# Altium PCB CADDX_passthrough.PcbDoc (continued)
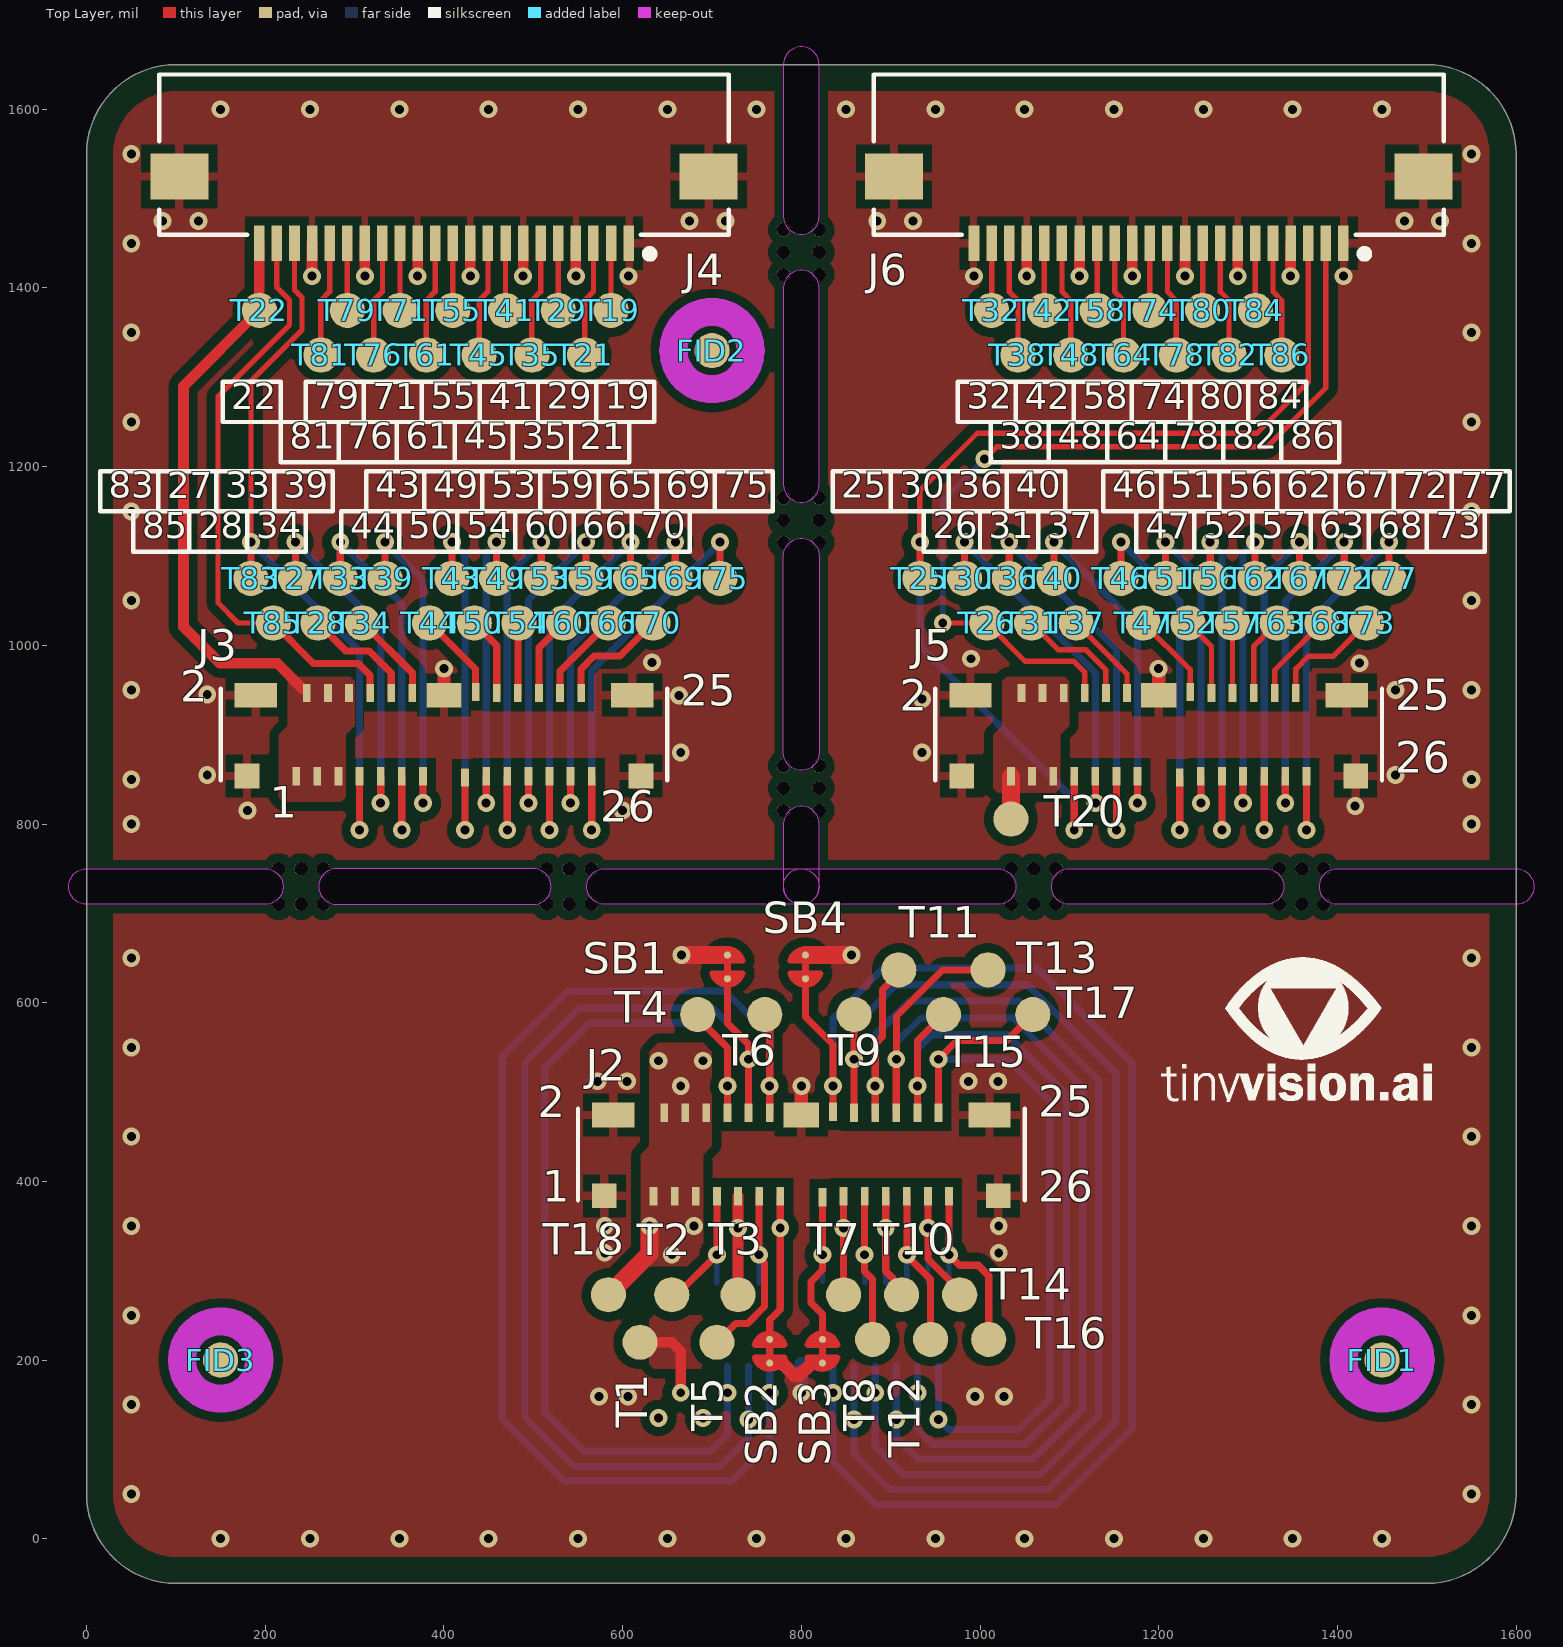
[diagram p0: Top Layer view]
## Free pads (board coordinates) (continued)

## Via types
v1: diameter 20, hole 10, Top Layer to Bottom Layer, 199 vias

## Nets (pads, with @x,y where several pads share a name; then routed paths per layer and width w, separated by ;. In a path a pad name is that pad's centre, name@x,y a point inside that pad or via, vN(x,y) a via of type N, cw(c..) or ccw(c..) an arc to the next point about the centre after c; other vN are vias at no path point)
GND: J1.P1 J1.P2 J1.P3 J1.P4 J1.P5 J2.P1 J2.P2 J2.P3 J2.P4 J2.P5 J3.P1 J3.P2 J3.P3 J3.P4 J3.P5 J4.1 J4.4 J4.7 J4.10 J4.13 J4.16 J4.19 J4.SH1 J4.SH2 J5.P1 J5.P2 J5.P3 J5.P4 J5.P5 J6.1 J6.4 J6.7 J6.10 J6.13 J6.16 J6.19 J6.22 J6.SH1 J6.SH2 SB1.1 SB2.2 SB3.2 SB4.1 | length 735.7
  Top Layer w12: v1(252.36,1413.19) J4.19 ; v1(311.42,1413.19) J4.16 ; v1(370.47,1413.19) J4.13 ; v1(429.53,1413.19) J4.10 ; v1(488.58,1413.19) J4.7 ; v1(547.64,1413.19) J4.4 ; v1(1052.36,1413.19) J6.19 ; v1(1111.42,1413.19) J6.16 ; v1(1170.47,1413.19) J6.13 ; v1(1229.53,1413.19) J6.10 ; v1(1288.58,1413.19) J6.7 ; v1(1347.64,1413.19) J6.4
  Top Layer w15: J3.P2 v1(400,973.84) ; SB2.2 778.46,196.54 790,185 ; 792.69,182.31 797.31,182.31 811.54,196.54 SB3.2 ; J2.P2 v1(800,506.65) ; J5.P2 v1(1200,973.84)
  Top Layer w20: v1(665.78,653.3) SB1.1 ; SB4.1 v1(856.12,653.3)
  Bottom Layer w15: v1(800,163.35) J1.P2
  other v1: 150,0 250,0 350,0 450,0 550,0 650,0 750,0 850,0 950,0 1050,0 1150,0 1250,0 1350,0 1450,0 50,50 1550,50 50,150 1550,150 573.33,159 606,159 994.33,159 1027,159 50,250 1550,250 580,320 1021,320 50,350 580,350 1021,350 1550,350 50,450 1550,450 572,512 604.67,512 987.33,512 1020,512 50,550 1550,550 50,650 1550,650 50,800 1550,800 180,815 600,815 1420,820 50,850 1550,850 135,855 1465,855 665,880 935,880 935,940 663,944 135,945 50,950 1465,950 1550,950 1425,980 633,981 990,985 50,1050 1550,1050 50,1150 1550,1150 50,1250 1550,1250 50,1350 1550,1350 606.69,1413.19 993.31,1413.19 1406.69,1413.19 50,1450 1550,1450 85,1475 125,1475 675,1475 715,1475 885,1475 925,1475 1475,1475 1515,1475 50,1550 1550,1550 150,1600 250,1600 350,1600 450,1600 550,1600 650,1600 750,1600 850,1600 950,1600 1050,1600 1150,1600 1250,1600 1350,1600 1450,1600
MCLK: J1.12 J2.12 T6.1 | length 1357.1
  Top Layer w8: T6.1 764.57,581.14 v1(764.57,506.65) J2.12
  Bottom Layer w8: J1.12 v1(764.57,163.35) 764.57,106.95 722.1,64.48 534.63,64.48 465.16,133.95 465.16,539.53 538.74,613.11 714.53,613.11 764.57,563.06 v1(764.57,506.65)
MIPI_RX_SCL: J5.7 J6.3 T25.1 | length 1192.2
  Top Layer w6: v1(932.68,1115.47) 932.68,1173.13 996.93,1237.38 1310.11,1237.38 1367.32,1294.6 J6.3
  Top Layer w8: T25.1 v1(932.68,1115.47) ; v1(1105.51,793.35) J5.7
  Bottom Layer w8: v1(932.68,1115.47) 932.68,999.34 1105.51,826.5 v1(1105.51,793.35)
MIPI_RX_SDA: J5.8 J6.2 T26.1 | length 984.7
  Top Layer w6: v1(958.29,1025) T26.1 1050.68,982 1105,982 1117.32,969.68 J5.8 ; v1(1005.01,1208.4) 1018.76,1222.14 1321.11,1222.14 1387.01,1288.04 J6.2
  Bottom Layer w6: v1(958.29,1025) 958.29,1161.67 v1(1005.01,1208.4)
MIPI_RXCLK_N: J6.15 T58.1 | length 75
  Top Layer w6: T58.1 J6.15
MIPI_RXCLK_P: J6.14 T64.1 | length 129.1
  Top Layer w6: J6.14 1150.79,1395.88 1160.63,1386.04 T64.1
MIPI_RXD0_N: J6.21 T32.1 | length 75
  Top Layer w6: T32.1 J6.21
MIPI_RXD0_P: J6.20 T38.1 | length 129.1
  Top Layer w6: J6.20 1032.68,1395.88 1042.52,1386.04 T38.1
MIPI_RXD1_N: J6.18 T42.1 | length 75
  Top Layer w6: T42.1 J6.18
MIPI_RXD1_P: J6.17 T48.1 | length 129.1
  Top Layer w6: J6.17 1091.73,1395.88 1101.57,1386.04 T48.1
MIPI_TX_LED: J4.18 T81.1 | length 129.1
  Top Layer w6: T81.1 262.2,1386.04 272.05,1395.88 J4.18
MIPI_TX_SCL: J3.7 J4.20 T83.1 | length 834.6
  Top Layer w6: v1(183.92,1115.47) 183.92,1295.92 241,1353.01 241,1389.56 232.68,1397.88 J4.20
  Top Layer w8: T83.1 v1(183.92,1115.47) ; v1(305.51,793.35) J3.7
  Bottom Layer w8: v1(183.92,1115.47) 305.51,993.87 v1(305.51,793.35)
MIPI_TX_SDA: J3.8 J4.21 T85.1 | length 665.2
  Top Layer w6: T85.1 169.62,1025 146.99,1047.63 146.99,1278.68 227,1358.69 227,1386.59 212.99,1400.6 J4.21
  Top Layer w8: T85.1 254.09,979.83 304.09,979.83 317.32,966.59 J3.8
MIPI_TX_TRIG: J4.17 T79.1 | length 75
  Top Layer w6: T79.1 J4.17
MIPI_TXCLK_N: J4.8 T41.1 | length 75
  Top Layer w6: T41.1 J4.8
MIPI_TXCLK_P: J4.9 T45.1 | length 129.1
  Top Layer w6: T45.1 439.37,1386.04 449.21,1395.88 J4.9
MIPI_TXD0_N: J4.2 T19.1 | length 75
  Top Layer w6: T19.1 J4.2
MIPI_TXD0_P: J4.3 T21.1 | length 129.1
  Top Layer w6: T21.1 557.48,1386.04 567.32,1395.88 J4.3
MIPI_TXD1_N: J4.5 T29.1 | length 75
  Top Layer w6: T29.1 J4.5
MIPI_TXD1_P: J4.6 T35.1 | length 129.1
  Top Layer w6: T35.1 498.43,1386.04 508.27,1395.88 J4.6
NetJ3_9: J3.9 T27.1 | length 402
  Top Layer w8: T27.1 v1(233.92,1115.47) ; v1(329.13,823.35) J3.9
  Bottom Layer w8: v1(233.92,1115.47) 329.13,1020.25 v1(329.13,823.35)
NetJ3_10: J3.10 T28.1 | length 127.5
  Top Layer w8: T28.1 290.09,993.83 316.01,993.83 340.94,968.89 J3.10
NetJ3_11: J3.11 T33.1 | length 451.1
  Top Layer w8: T33.1 v1(283.92,1115.47) ; v1(352.76,793.35) J3.11
  Bottom Layer w8: v1(283.92,1115.47) 352.76,1046.63 v1(352.76,793.35)
NetJ3_12: J3.12 T34.1 | length 101.4
  Top Layer w8: T34.1 364.57,969.35 J3.12
NetJ3_13: J3.13 T39.1 | length 380.2
  Top Layer w8: T39.1 v1(333.92,1115.47) ; v1(376.38,823.35) J3.13
  Bottom Layer w8: v1(333.92,1115.47) 376.38,1073.01 v1(376.38,823.35)
NetJ3_14: J3.14 T43.1 | length 427.5
  Top Layer w8: T43.1 v1(408.92,1115.47) ; v1(423.62,793.35) J3.14
  Bottom Layer w8: v1(408.92,1115.47) 423.62,1100.76 v1(423.62,793.35)
NetJ3_15: J3.15 T44.1 | length 98.5
  Top Layer w8: T44.1 435.43,973.48 J3.15
NetJ3_16: J3.16 T49.1 | length 367.4
  Top Layer w8: v1(447.24,823.35) J3.16 ; T49.1 v1(458.92,1115.47)
  Bottom Layer w8: v1(447.24,823.35) 447.24,1103.8 v1(458.92,1115.47)
NetJ3_17: J3.17 T50.1 | length 88.8
  Top Layer w8: T50.1 459.06,999.86 J3.17
NetJ3_18: J3.18 T53.1 | length 438.4
  Top Layer w8: v1(470.87,793.35) J3.18 ; T53.1 v1(508.92,1115.47)
  Bottom Layer w8: v1(470.87,793.35) 470.87,1077.42 v1(508.92,1115.47)
NetJ3_19: J3.19 T54.1 | length 78.9
  Top Layer w8: J3.19 483.01,946.98 483.01,1024.09 T54.1
NetJ3_20: J3.20 T59.1 | length 389.3
  Top Layer w8: v1(494.49,823.35) J3.20 ; T59.1 v1(558.92,1115.47)
  Bottom Layer w8: v1(494.49,823.35) 494.49,1051.04 v1(558.92,1115.47)
NetJ3_21: J3.21 T60.1 | length 89.8
  Top Layer w8: J3.21 506.3,997.38 T60.1
NetJ3_22: J3.22 T65.1 | length 460.2
  Top Layer w8: v1(518.11,793.35) J3.22 ; T65.1 v1(608.92,1115.47)
  Bottom Layer w8: v1(518.11,793.35) 518.11,1024.66 v1(608.92,1115.47)
NetJ3_23: J3.23 T66.1 | length 100.7
  Top Layer w8: J3.23 529.92,971 T66.1
NetJ3_24: J3.24 T69.1 | length 411.1
  Top Layer w8: v1(541.73,823.35) J3.24 ; T69.1 v1(658.92,1115.47)
  Bottom Layer w8: v1(541.73,823.35) 541.73,998.28 v1(658.92,1115.47)
NetJ3_25: J3.25 T70.1 | length 128.6
  Top Layer w8: J3.25 553.54,973.54 567.96,987.96 596.88,987.96 T70.1
NetJ3_26: J3.26 T75.1 | length 482.1
  Top Layer w8: v1(565.35,793.35) J3.26 ; T75.1 v1(708.92,1115.47)
  Bottom Layer w8: v1(565.35,793.35) 565.35,971.91 v1(708.92,1115.47)
NetJ4_11: J4.11 T55.1 | length 75
  Top Layer w6: T55.1 J4.11
NetJ4_12: J4.12 T61.1 | length 129.1
  Top Layer w6: T61.1 380.31,1386.04 390.16,1395.88 J4.12
NetJ4_14: J4.14 T71.1 | length 75
  Top Layer w6: T71.1 J4.14
NetJ4_15: J4.15 T76.1 | length 129.1
  Top Layer w6: T76.1 321.26,1386.04 331.1,1395.88 J4.15
NetJ5_9: J5.9 T30.1 | length 423.3
  Top Layer w8: T30.1 v1(982.68,1115.47) ; v1(1129.13,823.35) J5.9
  Bottom Layer w8: v1(982.68,1115.47) 1129.13,969.01 v1(1129.13,823.35)
NetJ5_10: J5.10 T31.1 | length 130.9
  Top Layer w6: T31.1 1087.68,995 1118.47,995 1140.94,972.52 J5.10
NetJ5_11: J5.11 T36.1 | length 472.3
  Top Layer w8: T36.1 v1(1032.68,1115.47) ; v1(1152.76,793.35) J5.11
  Bottom Layer w8: v1(1032.68,1115.47) 1152.76,995.39 v1(1152.76,793.35)
NetJ5_12: J5.12 T37.1 | length 101.9
  Top Layer w6: T37.1 1164.57,968.11 J5.12
NetJ5_13: J5.13 T40.1 | length 401.4
  Top Layer w8: T40.1 v1(1082.68,1115.47) ; v1(1176.38,823.35) J5.13
  Bottom Layer w8: v1(1082.68,1115.47) 1176.38,1021.77 v1(1176.38,823.35)
NetJ5_14: J5.14 T46.1 | length 448.7
  Top Layer w8: T46.1 v1(1157.68,1115.47) ; v1(1223.62,793.35) J5.14
  Bottom Layer w8: v1(1157.68,1115.47) 1223.62,1049.52 v1(1223.62,793.35)
NetJ5_15: J5.15 T47.1 | length 99
  Top Layer w6: T47.1 1235.43,972.24 J5.15
NetJ5_16: J5.16 T51.1 | length 379
  Top Layer w8: T51.1 v1(1207.68,1115.47) ; v1(1247.24,823.35) J5.16
  Bottom Layer w8: v1(1207.68,1115.47) 1247.24,1075.9 v1(1247.24,823.35)
NetJ5_17: J5.17 T52.1 | length 89.3
  Top Layer w6: T52.1 1259.06,998.62 J5.17
NetJ5_18: J5.18 T56.1 | length 428.1
  Top Layer w8: T56.1 v1(1257.68,1115.47) ; v1(1270.87,793.35) J5.18
  Bottom Layer w8: v1(1257.68,1115.47) 1270.87,1102.28 v1(1270.87,793.35)
NetJ5_19: J5.19 T57.1 | length 78.3
  Top Layer w6: J5.19 T57.1
NetJ5_20: J5.20 T62.1 | length 368.1
  Top Layer w8: v1(1294.49,823.35) J5.20 ; T62.1 v1(1307.68,1115.47)
  Bottom Layer w8: v1(1294.49,823.35) 1294.49,1102.28 v1(1307.68,1115.47)
NetJ5_21: J5.21 T63.1 | length 89.3
  Top Layer w6: J5.21 1306.3,998.62 T63.1
NetJ5_22: J5.22 T67.1 | length 439
  Top Layer w8: v1(1318.11,793.35) J5.22 ; T67.1 v1(1357.68,1115.47)
  Bottom Layer w8: v1(1318.11,793.35) 1318.11,1075.9 v1(1357.68,1115.47)
NetJ5_23: J5.23 T68.1 | length 100.2
  Top Layer w6: J5.23 1329.92,972.24 T68.1
NetJ5_24: J5.24 T72.1 | length 389.9
  Top Layer w8: v1(1341.73,823.35) J5.24 ; T72.1 v1(1407.68,1115.47)
  Bottom Layer w8: v1(1341.73,823.35) 1341.73,1049.52 v1(1407.68,1115.47)
NetJ5_25: J5.25 T73.1 | length 127.4
  Top Layer w6: J5.25 1353.54,973.67 1367.79,987.92 1395.6,987.92 T73.1
NetJ5_26: J5.26 T77.1 | length 460.8
  Top Layer w8: v1(1365.35,793.35) J5.26 ; T77.1 v1(1457.68,1115.47)
  Bottom Layer w8: v1(1365.35,793.35) 1365.35,1023.15 v1(1457.68,1115.47)
NetJ6_5: J6.5 T86.1 | length 129.1
  Top Layer w6: J6.5 1327.95,1395.88 1337.8,1386.04 T86.1
NetJ6_6: J6.6 T84.1 | length 75
  Top Layer w6: T84.1 J6.6
NetJ6_8: J6.8 T82.1 | length 129.1
  Top Layer w6: J6.8 1268.9,1395.88 1278.74,1386.04 T82.1
NetJ6_9: J6.9 T80.1 | length 75
  Top Layer w6: T80.1 J6.9
NetJ6_11: J6.11 T78.1 | length 129.1
  Top Layer w6: J6.11 1209.84,1395.88 1219.69,1386.04 T78.1
NetJ6_12: J6.12 T74.1 | length 75
  Top Layer w6: T74.1 J6.12
P1V8D: J1.9 J2.9 T3.1 | length 171.5
  Top Layer w12: T3.1 v1(729.13,347.84) J2.9
  Bottom Layer w12: J1.9 v1(729.13,347.84)
P3V3D: J1.1 J1.2 J1.3 J1.4 J1.5 J1.6 J2.1 J2.2 J2.3 J2.4 J2.5 J2.6 T1.1 T18.1 | length 192.1
  Top Layer w12: T1.1 655,219.84 665,209.84 v1(665,163.35)
  Top Layer w20: T18.1 630,319 v1(630,350)
  other v1: 640,135 690,135 655,317.84 680,350 665,506.65 640,535 690,535
P3V3D_1: J3.1 J3.2 J3.3 J3.4 J3.5 J3.6 J4.22 T22.1 | length 629.9
  Top Layer w12: J4.22 T22.1 108.3,1290 108.3,1020.79 149.27,979.83 213.28,979.83 242.22,950.89 J3.2@244.79,950.89
P3V3D_2: J5.1 J5.2 J5.3 J5.4 J5.5 J5.6 T20.1 | length 47.8
  Top Layer w20: T20.1 J5.1
PIN_10: J1.10 J2.10 SB1.2 | length 1232.9
  Top Layer w8: SB1.2 717.32,577.01 740.94,553.39 J2.10
  Bottom Layer w8: J1.10 740.94,113.36 708.56,80.97 545.46,80.97 490.04,136.38 490.04,532.31 551.62,593.89 700.44,593.89 740.94,553.39 v1(740.95,536.65)
  other v1: 740.94,133.35
PIN_11: J1.11 J2.11 T5.1 | length 227.1
  Top Layer w8: T5.1 726.67,241 740,241 758.82,259.82 758.82,308.52 752.76,314.59 v1(752.76,317.84) J2.11
  Bottom Layer w6: J1.11 v1(752.76,317.84)
PIN_13: J1.13 J2.13 SB2.1 | length 226.3
  Top Layer w8: SB2.1 764.57,244.8 776.38,256.61 v1(776.38,347.84) J2.13
  Bottom Layer w6: J1.13 v1(776.38,347.84)
PIN_14: J1.14 J2.14 SB3.1 | length 202.7
  Top Layer w8: SB3.1 823.62,251.21 811,263.84 811,288 823.62,300.62 v1(823.62,317.84) ; v1@823.62,314.59 J2.14
  Bottom Layer w6: J1.14 v1(823.62,317.84)
PIN_15: J1.15 J2.15 SB4.2 | length 1545.2
  Top Layer w8: SB4.2 804.57,584.08 835.43,553.22 v1(835.43,506.65) J2.15
  Bottom Layer w8: J1.15 v1(835.43,163.35) 835.43,85.57 883,38 1085,38 1170.42,123.42 1170.42,531.58 1063,639 892,639 835.43,582.43 v1(835.43,506.65)
PIN_16: J1.16 J2.16 T7.1 | length 171.5
  Top Layer w8: T7.1 v1(847.24,347.84) J2.16
  Bottom Layer w6: J1.16 v1(847.24,347.84)
PIN_17: J1.17 J2.17 T9.1 | length 1329.2
  Top Layer w8: J2.17 v1(859.06,536.65) T9.1
  Bottom Layer w8: J1.17 v1(859.06,133.35) 859.06,94.94 899,55 1076,55 1152,131 1152,521 1053,620 906,620 859.06,573.06 v1(859.06,536.65)
PIN_18: J1.18 J2.18 T8.1 | length 195.1
  Top Layer w8: J2.18 v1(870.87,317.84) 870.87,299.3 879.74,290.42 T8.1
  Bottom Layer w6: J1.18 v1(870.87,317.84)
PIN_19: J1.19 J2.19 T11.1 | length 1286.9
  Top Layer w8: J2.19 v1(882.68,506.65) 882.68,553.69 891,562.01 891,614.62 909.06,632.67 T11.1
  Bottom Layer w8: J1.19 v1(882.68,163.35) 882.68,103.32 914,72 1067,72 1133,138 1133,513 1044,602 920.6,602 882.68,564.08 v1(882.68,506.65)
PIN_20: J1.20 J2.20 T10.1 | length 178.8
  Top Layer w8: J2.20 v1(894.49,347.84) 894.49,299.3 912.24,281.54 T10.1
  Bottom Layer w6: J1.20 v1(894.49,347.84)
PIN_21: J1.21 J2.21 T13.1 | length 1185.4
  Top Layer w8: J2.21 v1(906.3,536.65) 906.67,537.02 906.67,585.2 958.12,636.65 T13.1
  Bottom Layer w8: J1.21 v1(906.3,133.35) 906.3,113.7 931,89 1059.15,89 1115,144.85 1115,505 1037,583 934,583 906.67,555.67 906.67,537.02 v1(906.3,536.65)
PIN_22: J1.22 J2.22 T12.1 | length 202.4
  Top Layer w8: J2.22 v1(918.11,317.84) 918.11,317 944.74,290.36 T12.1
  Bottom Layer w6: J1.22 v1(918.11,317.84)
PIN_23: J1.23 J2.23 T15.1 | length 974.1
  Top Layer w8: J2.23 v1(929.92,506.65) 929.92,557.52 T15.1
  Bottom Layer w8: J1.23 v1(929.92,163.35) 929.92,122.24 946.49,105.67 1050.67,105.67 1097,152 1097,497 1029.92,564.08 946.08,564.08 929.92,547.92 v1(929.92,506.65)
PIN_24: J1.24 J2.24 T14.1 | length 186.2
  Top Layer w8: J2.24 v1(941.73,347.84) 941.73,313.17 977.24,277.66 T14.1
  Bottom Layer w6: J1.24 v1(941.73,347.84)
PIN_25: J1.25 J2.25 T17.1 | length 866.8
  Top Layer w8: J2.25 v1(953.54,536.65) 974.41,557.52 1029.92,557.52 T17.1
  Bottom Layer w8: J1.25 v1(953.54,133.35) 964.77,122.12 1043.46,122.12 1078,156.65 1078,490 1031.35,536.65 v1(953.54,536.65)
PIN_26: J1.26 J2.26 T16.1 | length 222
  Top Layer w8: J2.26 v1(965.35,317.84) 977.19,306 998,306 1009.74,294.26 T16.1
  Bottom Layer w6: J1.26 v1(965.35,317.84)
SCL: J1.7 J2.7 T2.1 | length 165.6
  Top Layer w8: T2.1@655.12,273.18 660.85,273.18 v1(705.51,317.84) J2.7
  Bottom Layer w6: J1.7 v1(705.51,317.84)
SDA: J1.8 J2.8 T4.1 | length 1095.8
  Top Layer w8: T4.1 684.06,582.72 717.32,549.45 v1(717.32,506.65) J2.8
  Bottom Layer w8: J1.8 v1(717.32,163.35) 717.32,116.87 698.25,97.8 556.84,97.8 512.85,141.79 512.85,527 563.33,577.47 689.3,577.47 717.32,549.45 v1(717.32,506.65)
pads on no net: FID1.1 FID2.1 FID3.1 FID4.1 FID5.1 FID6.1

## Polygon pours and split planes (outlines as drawn)
GND on Bottom Layer "GND_L02" (solid, pour order 10): 29.99,50 ccw(c100,50) 100,-20.01 1499.97,-20.01 1500.07,-20.01 ccw(c1500,50) 1570.01,50 1570.01,1550 ccw(c1500,1550) 1500,1620.02 100,1620.02 ccw(c100,1550) 29.99,1550
P3V3D on Bottom Layer "PWR_L02" (solid, pour order 0): 635,120 630,125 630,245 620,255 620,360 625,365 685,365 690,360 690,255 700,245 700,125 695,120
GND on Top Layer "GND_L01" (solid, pour order 9): 29.99,50 ccw(c100,50) 100,-20.01 1499.97,-20.01 1500.07,-20.01 ccw(c1500,50) 1570.01,50 1570.01,1550 ccw(c1500,1550) 1500,1620.02 100,1620.02 ccw(c100,1550) 29.99,1550
P3V3D_2 on Top Layer "PWR_L01" (solid, pour order 5): 1085,835 1090,840 1090,900 1100,910 1100,960 1095,965 1030,965 1025,960 1025,910 1015,900 1015,840 1020,835
P3V3D on Top Layer "PWR_L01" (solid, pour order 6): 695,190 700,195 700,245 695,250 635,250 630,245 630,195 635,190
P3V3D_1 on Top Layer "PWR_L01" (solid, pour order 4): 295,965 300,960 300,910 290,900 290,830 285,825 220,825 215,830 215,900 225,910 225,960 230,965
P3V3D on Top Layer "PWR_L01" (solid, pour order 1): 630,545 640,555 690,555 700,545 700,440 690,430 690,310 685,305 625,305 620,310 620,430 630,440

## Other copper
Top Layer:
  text "TOP LAYER" at 561.9,-244.9 h100
Bottom Layer:
  text "BOTTOM LAYER" at 499.9,-244.9 h100

## Silkscreen, mask and mechanical layers (free items; w line width, h text height)
Top Overlay:
  drawing of 4337 lines, arcs and shapes, not listed
  text "79" at 255,1255.55 h50
  text "55" at 385,1255.55 h50
  text "29" at 515.18,1255.55 h50
  text "19" at 580.23,1255.55 h50
  text "32" at 985,1255.55 h50
  text "58" at 1115,1255.55 h50
  text "80" at 1245.23,1255.55 h50
  text "84" at 1310.23,1255.55 h50
  text "22" at 162.13,1255 h50
  text "71" at 320,1255 h50
  text "41" at 450,1255 h50
  text "42" at 1050,1255 h50
  text "74" at 1180,1255 h50
  text "81" at 227.18,1210.55 h50
  text "76" at 292.18,1210.55 h50
  text "61" at 357.18,1210.55 h50
  text "45" at 422.18,1210.55 h50
  text "35" at 487.18,1210.55 h50
  text "38" at 1022.18,1210.55 h50
  text "48" at 1087.18,1210.55 h50
  text "64" at 1152.18,1210.55 h50
  text "78" at 1217.18,1210.55 h50
  text "82" at 1282.18,1210.55 h50
  text "86" at 1347.18,1210.55 h50
  text "21" at 552.13,1210 h50
  text "83" at 25,1155.55 h50
  text "33" at 155,1155.55 h50
  text "39" at 220,1155.55 h50
  text "43" at 322.82,1155.55 h50
  text "49" at 387.82,1155.55 h50
  text "53" at 452.82,1155.55 h50
  text "59" at 517.82,1155.55 h50
  text "65" at 583.05,1155.55 h50
  text "69" at 648.05,1155.55 h50
  text "75" at 713.05,1155.55 h50
  text "25" at 844.95,1155.55 h50
  text "30" at 910,1155.55 h50
  text "36" at 975,1155.55 h50
  text "40" at 1040,1155.55 h50
  text "46" at 1147.82,1155.55 h50
  text "51" at 1212.82,1155.55 h50
  text "56" at 1277.82,1155.55 h50
  text "62" at 1342.82,1155.55 h50
  text "67" at 1408.05,1155.55 h50
  text "27" at 89.95,1155 h50
  text "72" at 1473.05,1155 h50
  text "77" at 1538.05,1155 h50
  text "85" at 62.18,1110.55 h50
  text "28" at 124.95,1110.55 h50
  text "34" at 190,1110.55 h50
  text "50" at 360,1110.55 h50
  text "54" at 425,1110.55 h50
  text "60" at 490,1110.55 h50
  text "66" at 555,1110.55 h50
  text "70" at 620,1110.55 h50
  text "26" at 947.13,1110.55 h50
  text "31" at 1010,1110.55 h50
  text "37" at 1075,1110.55 h50
  text "52" at 1250,1110.55 h50
  text "57" at 1315,1110.55 h50
  text "63" at 1380,1110.55 h50
  text "68" at 1445,1110.55 h50
  text "73" at 1510,1110.55 h50
  text "44" at 295,1110 h50
  text "47" at 1185,1110 h50
  text "SILKSCREEN TOP" at 505.9,-339.9 h100
Bottom Overlay:
  text "SILKSCREEN BOTTOM" at 1339.9,-337.9 h100
Top Paste:
  text "PASTEMASK TOP" at 452.9,-524.9 h100
Bottom Paste:
  text "PASTEMASK BOTTOM" at 359.9,-524.9 h100
Top Solder:
  text "SOLDERMASK TOP" at 449.9,-425.9 h100
Bottom Solder:
  text "SOLDERMASK BOTTOM" at 331.9,-429.9 h100
Drill Guide:
  text "DRILL GUIDE" at 590,-620 h100
Outline:
  the board outline again, w5
  text "BOARD OUTLINE" at 510,-720 h100
Top Assembly:
  text "ASSEMBLY TOP" at 490.9,-143.9 h100
Bottom Assembly:
  text "ASSEMBLY BOTTOM" at 1295.9,-141.7 h100
Drill Drawing:
  circle w10: c2402.45,627.6 r46.04
  lines w1: 5376.81,1104.51 5506.09,1233.78 5706.09,1433.78 5906.09,1633.78 6106.09,1833.78 6306.09,2033.78 ; 5376.81,1204.51 5406.09,1233.78 5606.09,1433.78 5806.09,1633.78 6006.09,1833.78 6206.09,2033.78 6306.09,2133.78 ; 5376.81,1304.51 5506.09,1433.78 5706.09,1633.78 5906.09,1833.78 6106.09,2033.78 6306.09,2233.78 ; 5376.81,1404.51 5406.09,1433.78 5606.09,1633.78 5806.09,1833.78 6006.09,2033.78 6206.09,2233.78 6306.09,2333.78 ; 5376.81,1504.51 5506.09,1633.78 5706.09,1833.78 5906.09,2033.78 6106.09,2233.78 6306.09,2433.78 ; 5376.81,1604.51 5406.09,1633.78 5606.09,1833.78 5806.09,2033.78 6006.09,2233.78 6206.09,2433.78 ; 5376.81,1704.51 5506.09,1833.78 5706.09,2033.78 5906.09,2233.78 6106.09,2433.78 ; 5376.81,1804.51 5406.09,1833.78 5606.09,2033.78 5806.09,2233.78 6006.09,2433.78 ; 5376.81,1904.51 5506.09,2033.78 5706.09,2233.78 5906.09,2433.78 ; 5376.81,2004.51 5406.09,2033.78 5606.09,2233.78 5806.09,2433.78 ; 5376.81,2104.51 5506.09,2233.78 5706.09,2433.78 ; 5376.81,2204.51 5406.09,2233.78 5606.09,2433.78 ; 5376.81,2304.51 5506.09,2433.78 ; 5376.81,2404.51 5406.09,2433.78 ; 5406.09,1033.78 5606.09,1233.78 5806.09,1433.78 6006.09,1633.78 6206.09,1833.78 6306.09,1933.78 ; 5506.09,1033.78 5706.09,1233.78 5906.09,1433.78 6106.09,1633.78 6306.09,1833.78 ; 5606.09,1033.78 5806.09,1233.78 6006.09,1433.78 6206.09,1633.78 6306.09,1733.78 ; 5706.09,1033.78 5906.09,1233.78 6106.09,1433.78 6306.09,1633.78 ; 5806.09,1033.78 6006.09,1233.78 6206.09,1433.78 6306.09,1533.78 ; 5906.09,1033.78 6106.09,1233.78 6306.09,1433.78 ; 6006.09,1033.78 6206.09,1233.78 6306.09,1333.78 ; 6106.09,1033.78 6306.09,1233.78 ; 6206.09,1033.78 6306.09,1133.78
  lines w15: 2271.51,1233.78 2690,1233.78 3499.3,1233.78 4226.55,1233.78 4823.93,1233.78 5376.81,1233.78 6306.09,1233.78 ; 2271.51,1433.78 2690,1433.78 3499.3,1433.78 4226.55,1433.78 4823.93,1433.78 5376.81,1433.78 6306.09,1433.78 ; 2271.51,1633.78 2690,1633.78 3499.3,1633.78 4226.55,1633.78 4823.93,1633.78 5376.81,1633.78 6306.09,1633.78 ; 2271.51,1833.78 2690,1833.78 3499.3,1833.78 4226.55,1833.78 4823.93,1833.78 5376.81,1833.78 6306.09,1833.78 ; 2271.51,2033.78 2690,2033.78 3499.3,2033.78 4226.55,2033.78 4823.93,2033.78 5376.81,2033.78 6306.09,2033.78 ; 2271.51,2233.78 2690,2233.78 3499.3,2233.78 4226.55,2233.78 4823.93,2233.78 5376.81,2233.78 6306.09,2233.78 ; 2271.51,2433.78 6306.09,2433.78 ; 2690,2633.78 2690,1033.78 ; 3499.3,2633.78 3499.3,1033.78 ; 4226.55,2633.78 4226.55,1033.78 ; 4823.93,2633.78 4823.93,1033.78 ; 5376.81,2633.78 5376.81,1033.78 ; 2690,1033.78 2271.51,1033.78 2271.51,2633.78 6306.09,2633.78 6306.09,1033.78 5376.81,1033.78 ; 2690,1033.78 3499.3,1033.78 ; 3499.3,1033.78 4226.55,1033.78 ; 4226.55,1033.78 4823.93,1033.78 ; 4823.93,1033.78 5376.81,1033.78
  lines w20: 2275,312.2 7770.41,312.2 ; 2275,726.6 7770.41,726.6 ; 2838.44,105 2838.44,933.8 ; 3342.29,105 3342.29,933.8 ; 4275.71,105 4275.71,933.8 ; 4707.89,105 4707.89,933.8 ; 5333.6,105 5333.6,933.8 ; 6540.82,105 6540.82,933.8 ; 7046.65,105 7046.65,933.8 ; 2275,105 7770.41,105 7770.41,933.8 2275,933.8 2275,105
  text "FABRICATION NOTE" at 2327.04,4574.14 h100
  text "NOTES: (UNLESS OTHERWISE SPECIFIED)" at 2327.92,4471.69 h100
  text "1. FABRICATE PER IPC-6012B TYPE 2 CLASS 3" at 2313.94,4273.01 h50
  text "2. MATERIAL:" at 2313.94,4153.01 h50
  text "BASE MATERIAL  : FR4 Tg 180" at 2815.75,4152.75 h50
  text "3. BOARD THICKNESS: 1.6MM +/- 10% TOL." at 2313.94,4033.01 h50
  text "4. NO OF LAYERS: 02" at 2317.68,3938.82 h50
  text "5. SURFACE FINISH: ENIG FINISH" at 2317.68,3818.82 h50
  text "6. SOLDERMASK CLEARANCE IS GIVEN SAME AS PAD SIZE EXCEPT FIDUCIALS." at 2317.68,3698.82 h50
  text "VENDOR SHALL MODIFY THE MASK CLEARANCE AS PER THE REQUIRED MANUFACTURING TOLERANCE" at 2437.68,3578.82 h50
  text "COLOR:GREEN" at 2357.68,3458.82 h50
  text "7. SILKSCREEN:DOUBLE SIDE WITH PERMANENT NON CONDUCTIVE WHITE EPOXY INK" at 2317.68,3338.82 h50
  text "SILKSCREEN MAY BE TRIMMED OFF ANY SOLDERED ENTITY." at 2357.68,3218.82 h50
  text "8. BOW AND TWIST NOT TO EXCEED 0.180MM (0.007\") PER INCH AS MEASURED PER IPC-TM-650." at 2317.68,3098.82 h50
  text "9. 100%CONTINUITY TESTING USING DATABASE NETLIST SHALL BE PERFORMED." at 2317.68,2978.82 h50
  text "10. VENDOR SHOULD FOLLOW ROHS COMPLAINT PROCESS FOR MANUFACTURING." at 2317.68,2858.82 h50
  text "Layer" at 2371.51,2483.78 h100
  text "Name" at 2790,2483.78 h100
  text "Material" at 3599.3,2483.78 h100
  text "Thickness" at 4326.55,2483.78 h100
  text "Constant" at 4923.93,2483.78 h100
  text "Board Layer Stack" at 5476.81,2483.78 h100
  text "Top Overlay" at 2790,2283.78 h100
  text "Top Solder" at 2790,2083.78 h100
  text "Solder Resist" at 3599.3,2083.78 h100
  text "0.50mil" at 4326.55,2083.78 h100
  text "3.5" at 4923.93,2083.78 h100
  text "1" at 2371.51,1883.78 h100
  text "Top Layer" at 2790,1883.78 h100
  text "1.38mil" at 4326.55,1883.78 h100
  text "Dielectric 1" at 2790,1683.78 h100
  text "Core-009" at 3599.3,1683.78 h100
  text "59.06mil" at 4326.55,1683.78 h100
  text "4" at 4923.93,1683.78 h100
  text "2" at 2371.42,1483.78 h100
  text "Bottom Layer" at 2790,1483.78 h100
  text "1.38mil" at 4326.55,1483.78 h100
  text "Bottom Solder" at 2790,1283.78 h100
  text "Solder Resist" at 3599.3,1283.78 h100
  text "0.50mil" at 4326.55,1283.78 h100
  text "3.5" at 4923.93,1283.78 h100
  text "Bottom Overlay" at 2790,1083.78 h100
  text "Total board thickness:" at 2371.51,883.78 h100
  text "62.81mil" at 4326.55,883.78 h100
  text "Symbol" at 2399.32,788.76 h120
  text "Count" at 2900.6,788.76 h120
  text "Hole Size" at 3404.45,788.76 h120
  text "Plated" at 4337.87,788.76 h120
  text "Hole Type" at 4770.05,788.76 h120
  text "Drill Layer Pair" at 5395.76,788.76 h120
  text "Via/Pad" at 6602.98,788.76 h120
  text "Pad Shape" at 7108.81,788.76 h120
  text "42" at 2900.6,581.56 h100
  text "15.00mil (0.381mm)" at 3404.45,581.56 h100
  text "NPTH" at 4337.87,581.56 h100
  text "Round" at 4770.05,581.56 h100
  text "Top Layer - Bottom Layer" at 5395.76,581.56 h100
  text "Pad" at 6602.98,581.56 h100
  text "Rounded" at 7108.81,581.56 h100
  text "199" at 2900.6,374.36 h100
  text "10.00mil (0.254mm)" at 3404.45,374.36 h100
  text "PTH" at 4337.87,374.36 h100
  text "Round" at 4770.05,374.36 h100
  text "Top Layer - Bottom Layer" at 5395.76,374.36 h100
  text "Via" at 6602.98,374.36 h100
  text "Rounded" at 7108.81,374.36 h100
  text "A" at 2361.76,364.38 h92.09
  text "241 Total" at 2900.6,167.16 h100
  text "DRILL DRAWING" at 515,-620 h100

## Text inside footprints (layer, text, board x,y; h text height)
J1: Bottom Overlay "2" at 615.06,110 h60; Bottom Overlay "1" at 610,320 h60; Bottom Overlay "25" at 1020.06,110.67 h60; Bottom Overlay "26" at 1021.06,320.67 h60; Bottom Assembly "2" at 600.04,200 h40; Bottom Assembly "1" at 600,255 h40; Bottom Assembly "25" at 1025.04,200.44 h40; Bottom Assembly "26" at 1025.04,255.44 h40
J2: Top Assembly "26" at 984.96,390.44 h40; Top Assembly "2" at 574.96,445 h40; Top Assembly "25" at 984.96,445.44 h40; Top Assembly "1" at 575,390 h40; Top Overlay "1" at 510,365.67 h60; Top Overlay "2" at 504.94,460 h60; Top Overlay "25" at 1064.94,460.67 h60; Top Overlay "26" at 1064.94,365.67 h60
J3: Top Assembly "1" at 165,860 h40; Top Assembly "26" at 594.96,860.44 h40; Top Assembly "2" at 164.96,915 h40; Top Assembly "25" at 594.96,915.44 h40; Top Overlay "2" at 104.94,925 h60; Top Overlay "1" at 205,795 h60; Top Overlay "25" at 664.94,920.67 h60; Top Overlay "26" at 574.94,790.67 h60
J5: Top Assembly "1" at 965,860 h40; Top Assembly "26" at 1399.96,860.44 h40; Top Assembly "2" at 959.96,915 h40; Top Assembly "25" at 1399.96,915.44 h40; Top Overlay "2" at 909.94,915 h60; Top Overlay "25" at 1464.94,915.67 h60; Top Overlay "26" at 1464.94,845.67 h60